# KiCad board pcb.kicad_pcb (continued)
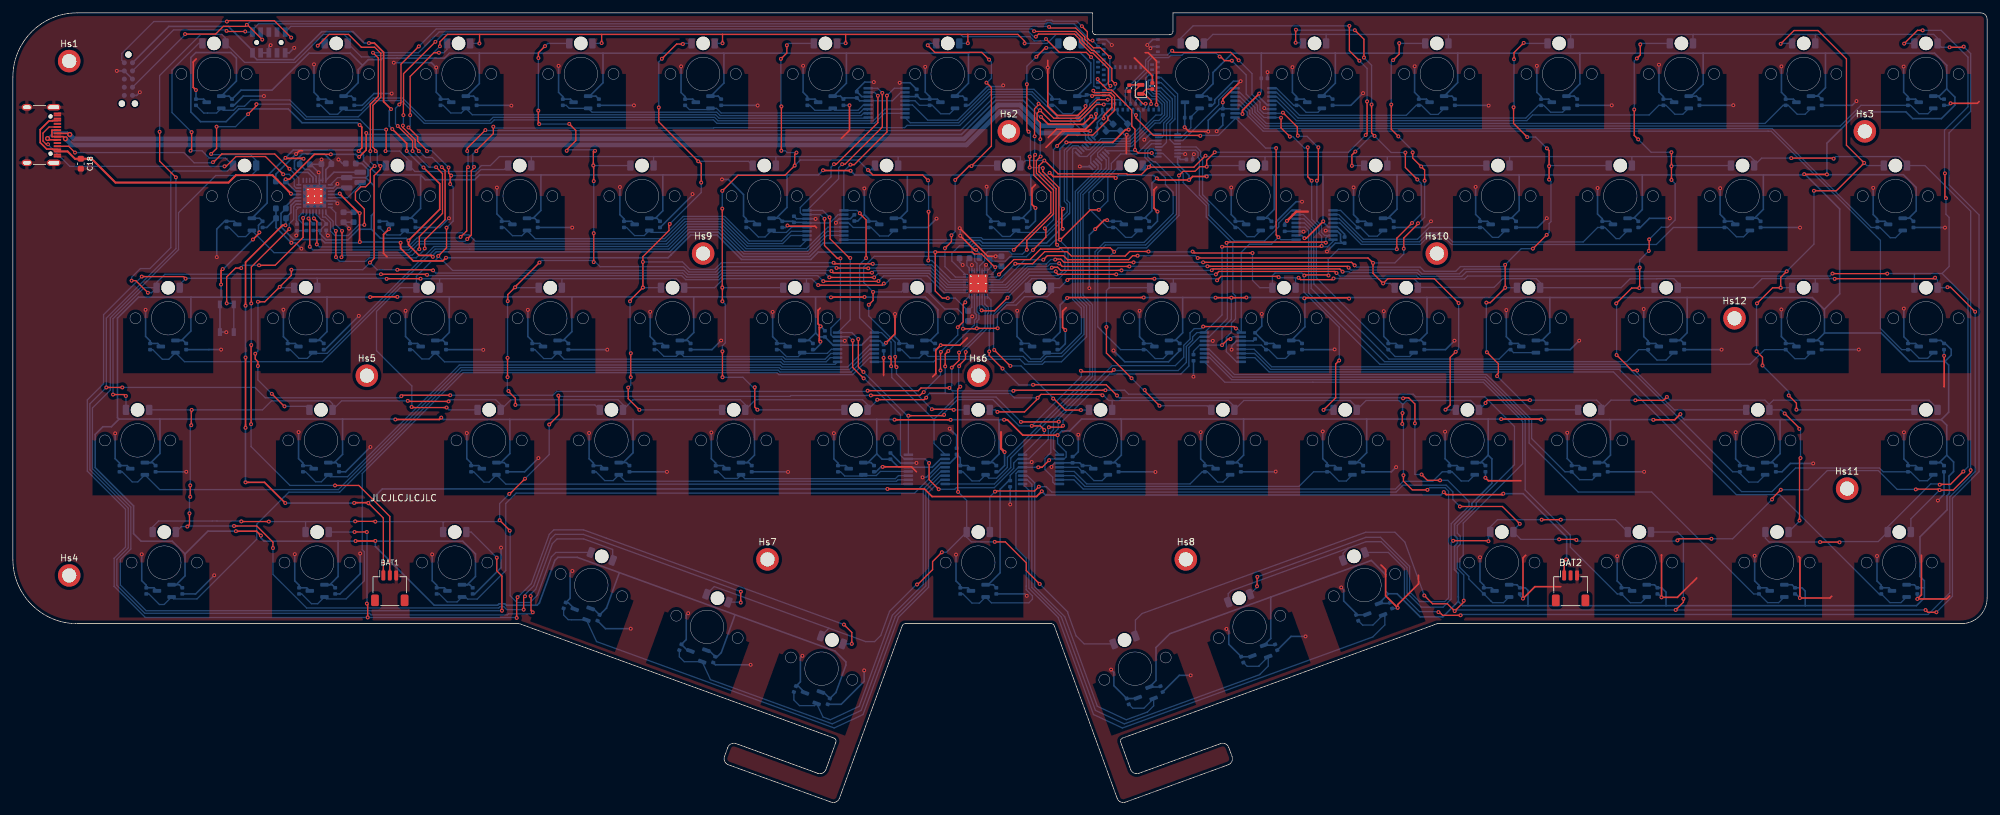
[diagram p0: board, top side]
## Routing (per net, layer and track width the routed paths; a pad name or vN(x,y) marks a point on that pad's centre or on a via; arc(x,y) is an arc through that point) (continued)
/NRESET: length 168.1
  Top w0.2: v1(161,120.57) 161.16,120.41 165.13,120.41 166.55,118.99 166.55,118.65 167.88,117.32 168.99,117.32 v1(170.45,115.86) ; v1(33.25,121.41) 33.39,121.55 40.61,121.55 v1(43.25,118.91)
  Bottom w0.2: MDBT1.40 169.8,111.51 169.89,111.6 169.89,111.68 170.27,112.06 170.35,112.06 170.45,112.16 v1(170.45,115.86) ; JTAG2.10 16.92,115.4 16.92,116.44 21.89,121.41 v1(33.25,121.41) ; v1(161,120.57) 160.91,120.66 43.21,120.66 JTAG1.10 42.4,119.76 v1(43.25,118.91)
/SCL: length 192
  Top w0.2: v1(45.92,90.78) 46.01,90.78 46.13,90.65 v1(46.13,86.38) ; v1(158.84,100.68) 158.63,100.47 158.63,97.51 161.28,94.86 161.28,91.66 v1(155.51,85.89) ; v1(74.65,105.06) 74.65,103.98 72.01,101.34 v1(72.01,101.26) ; v1(170.12,109.26) 168.51,109.26 165.63,106.38 162.1,106.38 162.1,106.37 161.73,106.37 159.48,108.62 v1(159.37,108.62) 159.37,108.48 158.74,107.85 158.74,103.58 v1(158.76,103.56) ; v1(70.59,87.58) 71.23,88.22 71.23,98.22 71.65,98.64 v1(71.65,98.79)
  Bottom w0.2: v1(170.12,109.26) 171.9,109.26 172.05,109.11 MDBT1.27 ; PMIC1.14 46.12,90.98 v1(45.92,90.78) 45.92,90.7 R3.2 ; v1(155.51,85.89) 155.28,86.12 150.32,86.12 149.89,86.55 149.4,86.55 149.02,86.17 149.02,85.46 149.44,85.03 149.44,84.16 149.8,83.8 LEDDR1.28 ; v1(70.59,87.58) 70.23,87.22 62.83,87.22 61.5,85.89 46.62,85.89 v1(46.13,86.38) ; v1(72.01,101.26) 71.92,101.26 71.46,100.79 71.46,98.98 v1(71.65,98.79) ; v1(158.84,100.68) 158.76,100.76 v1(158.76,103.56) ; v1(74.65,105.06) 74.86,104.85 108.86,104.85 108.92,104.91 138.58,104.91 138.92,105.26 147.11,105.26 151.92,110.07 158.23,110.07 159.37,108.93 v1(159.37,108.62)
/SDA: length 186
  Top w0.2: v1(169.5,108.51) 168.36,108.51 165.78,105.93 161.26,105.93 v1(159.59,107.6) 159.14,107.15 159.14,106.17 159.64,105.67 v1(159.64,103.11) ; v1(69.57,87.91) 69.59,87.91 70.52,88.84 70.52,98.57 v1(70.72,98.77) ; v1(46.77,90.79) 47.23,90.34 47.23,86.76 v1(47.22,86.75) ; v1(73.41,104.54) 70.59,101.71 v1(70.59,101.27) ; v1(159.68,100.42) 159.03,99.77 159.03,97.84 161.68,95.19 161.68,91.49 157.54,87.36 v1(157.54,85.91)
  Bottom w0.2: v1(169.5,108.51) 169.6,108.61 MDBT1.29 ; v1(159.68,100.42) 159.62,100.49 159.62,103.09 v1(159.64,103.11) ; LEDDR1.29 150.2,83.41 150.99,84.21 150.99,85.1 151.54,85.65 154.83,85.65 155.24,85.24 156.87,85.24 v1(157.54,85.91) ; v1(70.72,98.77) 70.72,101.14 v1(70.59,101.27) ; v1(73.41,104.54) 73.5,104.45 147.24,104.45 152.46,109.67 157.4,109.67 159.47,107.6 v1(159.59,107.6) ; v1(47.22,86.75) 47.61,86.36 61.4,86.36 62.8,87.76 69.42,87.76 v1(69.57,87.91) ; PMIC1.13 46.62,90.94 v1(46.77,90.79) 46.84,90.79 R4.2
/SW0: length 998.2
  Top w0.2: 91.48,119.41 110.28,119.41 ; 91.48,119.41 72.51,119.41 ; 91.48,119.41 v1(91.48,118.06) ; 110.28,119.41 110.26,119.39 v1(110.26,118.03) ; 110.28,119.41 129.41,119.41 ; v1(80.78,29.52) 80.51,29.79 80.51,31.99 v1(80.45,32.05) ; v1(132.81,63.99) 140.68,63.99 141.11,64.42 v1(145.52,64.42) ; v1(147.01,69.93) 147.01,68.71 v1(145.88,67.58) ; v1(300.91,117.41) 303.01,117.41 v1(303.11,117.51) ; v1(157.2,118.01) 157.2,118.36 156.15,119.41 148.38,119.41 ; 72.51,119.41 72.51,118.02 v1(72.49,118) ; 72.51,119.41 67.52,119.41 66.35,118.24 v1(66.35,117.56) ; v1(67.96,63.29) 60.5,63.29 v1(60.35,63.14) ; 148.38,119.41 v1(148.38,118.04) ; 148.38,119.41 129.41,119.41 ; v1(259.56,31.62) 259.56,31.09 v1(258.36,29.89) ; v1(219.3,32.14) 220.59,30.85 222.89,30.85 v1(224.03,29.71) 225.43,31.12 v1(225.43,31.34) ; v1(169.76,64.07) 155.55,64.07 v1(155.45,63.97) ; 129.41,119.41 129.39,119.39 v1(129.39,118.04) ; v1(25.32,97.18) 22.8,99.7 v1(22.8,104.26) ; v1(17.01,64.5) v1(14.52,64.5) ; v1(298.87,29.53) 297.53,29.53 v1(297.18,29.88)
  Bottom w0.2: D13.2 261.05,119.35 261.11,119.41 ; v1(298.87,29.53) 301.36,32.02 301.36,47.27 305.49,51.4 305.49,91.34 300.83,96 300.83,104.09 304.19,107.45 304.19,116.43 v1(303.11,117.51) ; D11.2 223.05,119.38 223.08,119.41 ; v1(145.88,67.58) 145.88,64.78 v1(145.52,64.42) 145.97,63.97 v1(155.45,63.97) ; v1(110.26,118.03) 110.24,118.01 D5.2 ; 280.1,119.41 280.05,119.36 D14.2 ; 280.1,119.41 261.11,119.41 ; 280.1,119.41 298.45,119.41 299.05,118.81 D15.2 299.65,117.41 v1(300.91,117.41) ; v1(259.56,31.62) 259.56,41.09 258.64,42.01 D70.2 ; v1(219.3,32.14) 216.28,40.44 214.74,41.98 210.2,41.98 175.44,29.33 174.42,28.31 D66.2 ; D9.2 186.45,119.41 204.03,119.41 ; 204.03,119.41 223.08,119.41 ; 204.03,119.41 204.05,119.39 D10.2 ; 223.08,119.41 242.07,119.41 ; 261.11,119.41 242.07,119.41 ; D8.2 166.05,118.81 165.45,119.41 162.1,119.41 160.7,118.01 v1(157.2,118.01) ; D3.2 72.48,118.01 v1(72.49,118) ; v1(148.38,118.04) 148.35,118.01 D7.2 ; 242.07,119.41 242.05,119.39 D12.2 ; v1(80.78,29.52) 80.55,29.29 77,29.29 76.83,29.12 55.65,29.12 55.4,29.37 20.51,29.37 16.15,33.73 16.15,37.77 17.93,39.55 17.93,45.73 11.96,51.7 11.96,61.95 v1(14.52,64.5) 14.52,75.28 25.34,86.1 25.34,97.16 v1(25.32,97.18) ; LEDDR1.11 150.6,77.33 151.17,76.76 151.17,76.22 151.06,76.11 151.06,73.9 147.09,69.93 v1(147.01,69.93) ; v1(91.48,118.06) 91.43,118.01 D4.2 ; v1(225.43,31.34) 225.43,35.34 224.42,36.34 224.42,39.65 224.88,40.11 224.88,41.38 224.42,41.83 224.42,43.04 227.37,45.99 227.37,46.54 233.31,52.48 233.31,58.43 228.69,63.05 217.97,63.05 217.57,63.45 173.35,63.45 172.73,64.07 v1(169.76,64.07) ; v1(80.45,32.05) 80.45,32.34 81.24,33.13 83.82,40.2 84.55,40.94 88.69,40.94 93.16,39.31 93.19,39.28 D62.2 ; v1(224.03,29.71) 224.03,29.86 224.05,29.89 v1(258.36,29.89) 297.17,29.89 v1(297.18,29.88) ; v1(67.96,63.29) 83.9,63.29 84.49,63.88 132.7,63.88 v1(132.81,63.99) ; D6.2 129.36,118.01 v1(129.39,118.04) ; v1(60.35,63.14) 60.1,62.89 39.21,62.89 37.6,64.5 v1(17.01,64.5) ; v1(22.8,104.26) 22.8,113.01 29.2,119.41 32.45,119.41 33.05,118.81 D1.2 36.01,115.05 43.88,115.05 48.24,119.41 51.45,119.41 52.05,118.81 D2.2 54.15,115.91 56.22,115.91 56.44,116.14 64.92,116.14 v1(66.35,117.56)
/SW1: length 734
  Top w0.2: v1(152.6,48.29) 152.71,48.4 158.75,48.4 v1(159.41,49.07) ; 37.63,108.56 v1(37.85,108.56) 37.85,108.31 v1(36.55,107.01) ; v1(273.33,47.08) 273.33,47.23 v1(274.69,48.59) ; v1(75.19,38.03) 75.19,35.98 75.99,35.17 v1(75.99,29.77) ; v1(224.83,45.98) 231.44,45.98 v1(234.14,43.28) ; v1(30.8,100.81) 31.65,101.66 v1(31.65,105.06) ; v1(304.19,51.63) 304.19,51.26 301.47,48.54 v1(299.38,48.54) 299.23,48.68 295.7,48.68 v1(295.66,48.64) ; v1(176.49,98.76) 176.73,99 176.73,99.13 ; v1(176.49,98.76) 175.34,97.61 173.17,97.61 173.06,97.72 162.38,97.72 160.3,99.8 v1(160.26,99.8) 159.43,98.97 159.43,98.05 162.08,95.4 162.08,86.86 v1(162.25,86.68) ; v1(176.49,98.76) 183.5,98.76 185.28,100.54 v1(185.32,100.54) ; v1(282.9,100.08) 282.81,100.17 v1(276.31,100.17) ; v1(258.63,40.71) 258.88,40.96 v1(263.92,40.96) ; v1(57.9,101.26) 58,101.36 v1(58,104.61) ; v1(150.52,76.49) 150.59,76.42 152.5,76.42 v1(154.54,78.47) ; v1(240.25,40.87) 242.84,40.87 v1(242.93,40.78)
  Bottom w0.2: 232.55,100.41 213.5,100.41 ; 232.55,100.41 251.55,100.41 ; 232.55,100.41 D26.2 ; 213.5,100.41 213.55,100.36 D25.2 ; 213.5,100.41 194.63,100.41 ; v1(150.52,76.49) 150.2,76.81 LEDDR1.12 ; 137.5,100.41 156.51,100.41 156.55,100.37 D22.2 157.34,99.8 v1(160.26,99.8) ; 137.5,100.41 118.53,100.41 ; 137.5,100.41 137.55,100.36 D21.2 ; 118.53,100.41 118.55,100.39 D20.2 ; 118.53,100.41 99.58,100.41 ; v1(299.38,48.54) 294.9,44.06 D72.2 ; v1(263.92,40.96) 267.21,40.96 v1(273.33,47.08) ; D65.2 151.8,47.49 v1(152.6,48.29) ; v1(224.83,45.98) 223.74,47.07 223.74,48.26 222.69,49.3 215.98,49.3 214.9,48.22 161.42,48.22 160.58,49.07 v1(159.41,49.07) ; v1(30.8,100.81) 30.9,100.71 36.9,100.71 37.8,99.81 D16.2 37.8,98.21 37.05,97.46 31.52,97.46 25.74,91.68 25.74,85.94 15.14,75.34 15.14,64.08 12.37,61.31 12.37,51.86 18.33,45.9 18.33,39.38 16.7,37.75 16.7,33.77 20.7,29.77 v1(75.99,29.77) ; 99.58,100.41 99.55,100.38 D19.2 ; 99.58,100.41 80.57,100.41 ; v1(304.19,51.63) 304.19,91.91 297.09,99.01 D29.2 294.3,99.19 293.08,100.41 283.23,100.41 v1(282.9,100.08) ; v1(274.69,48.59) 278.93,48.59 281.91,51.57 289.84,51.57 292.77,48.64 v1(295.66,48.64) ; v1(185.32,100.54) 185.27,100.5 185.27,100.43 185.28,100.41 194.63,100.41 ; v1(176.49,98.76) 176.24,99.01 D23.2 ; v1(58,104.61) 55.51,104.61 53.93,106.19 45.47,106.19 43.1,108.56 v1(37.85,108.56) ; 80.57,100.41 80.55,100.39 D18.2 ; 80.57,100.41 75.59,100.41 74.19,99.01 72.79,99.01 71.87,98.09 62.47,98.09 D17.2 61.55,99.81 60.1,101.26 v1(57.9,101.26) ; 194.63,100.41 194.55,100.33 D24.2 ; v1(276.31,100.17) 271.71,100.17 D28.2 270.55,99.81 269.95,100.41 251.55,100.41 ; v1(75.19,38.03) 71.2,42.01 D61.2 ; 251.55,100.41 D27.2 ; v1(162.25,86.68) 162.25,86.67 163.46,85.46 163.46,82.93 162.43,81.9 157.98,81.9 v1(154.54,78.47) ; v1(258.63,40.71) 258.52,40.6 243.11,40.6 v1(242.93,40.78) ; v1(36.55,107.01) 34.6,105.06 v1(31.65,105.06) ; v1(240.25,40.87) 234.29,40.87 D69.2 233.15,42.29 v1(234.14,43.28)
/SW2: length 674
  Top w0.2: v1(196.68,81.65) 196.55,81.78 187.72,81.78 v1(187.1,81.16) ; v1(129.12,27.62) 130.35,26.39 v1(130.35,24.61) ; v1(221.5,29.56) 221.64,29.56 222.14,29.06 v1(224.94,29.06) ; v1(199.76,81.56) 200.06,81.26 205.01,81.26 v1(205.2,81.45) ; v1(20.02,81.74) 26.52,81.74 v1(26.84,81.42) ; v1(55,30.89) 55.13,30.76 v1(55.13,28.72) ; v1(304.89,76.27) 301.07,80.09 v1(300.59,80.09) ; v1(153.01,73.7) 149.77,73.7 v1(149.77,73.68) 149.71,73.62 v1(147.62,73.62) ; v1(55,42.01) 54.99,42.02 v1(53.08,42.02) ; v1(78.42,31.89) 78.28,31.75 v1(78.28,28.65) ; v1(298.66,81.57) 298.5,81.41 283.08,81.41 v1(283.06,81.39) ; v1(163.84,81.2) 163.91,81.2 164.12,81.41 v1(177.37,81.41) ; v1(58.07,81.39) 58.09,81.41 v1(63.35,81.41) ; v1(135.33,80.66) 135.07,80.4 125.14,80.4 v1(125.12,80.42)
  Bottom w0.2: v1(283.06,81.39) 283,81.45 282.53,81.45 282.51,81.43 280.11,81.43 ; v1(78.28,28.65) 78.21,28.72 v1(55.13,28.72) 54.78,28.72 54.78,28.72 20.59,28.72 15.75,33.56 15.74,33.57 15.74,37.92 15.75,37.93 15.75,37.93 17.5,39.68 17.5,45.55 11.56,51.49 11.56,62.56 14.09,65.08 14.09,75.81 v1(20.02,81.74) ; D31.2 47.3,81.41 47.23,81.48 ; v1(153.01,73.7) 152.97,73.74 152.97,75.86 154.42,77.31 155.88,77.31 157.17,78.61 160.7,78.61 161.3,79.21 D37.2 162.65,80.01 v1(163.84,81.2) ; 92.2,41.06 v1(129.12,27.62) ; D39.2 199.3,81.48 199.22,81.56 ; v1(78.42,31.89) 78.47,31.89 80.55,33.97 83.35,41.65 84.04,42.35 88.66,42.35 92.28,41.03 ; v1(304.89,76.27) 304.89,51.42 300.95,47.48 300.95,32.55 297.59,29.19 225.07,29.19 v1(224.94,29.06) ; D60.2 53.07,42.01 v1(53.08,42.02) ; 180.33,81.41 180.3,81.38 D38.2 ; 180.33,81.41 v1(177.37,81.41) ; 180.33,81.41 186.85,81.41 v1(187.1,81.16) ; v1(147.62,73.62) 147.62,75.86 146.77,76.71 144.8,76.71 142.3,79.21 D36.2 ; D32.2 66.3,81.38 66.27,81.41 ; LEDDR1.13 149.8,76.29 150.1,75.99 150.1,75.12 149.8,74.82 149.8,73.71 v1(149.77,73.68) ; 123.28,81.41 123.3,81.39 D35.2 ; 123.28,81.41 124.13,81.41 v1(125.12,80.42) ; 123.28,81.41 110.43,81.41 109.03,80.01 D34.2 104.3,80.19 103.08,81.41 85.27,81.41 ; v1(221.5,29.56) 221.42,29.63 218.55,29.63 216.22,31.96 216.22,36.33 213.71,38.84 D68.2 ; v1(298.66,81.57) 299.05,81.18 D44.2 300.51,80.01 v1(300.59,80.09) ; v1(196.68,81.65) 196.77,81.56 199.22,81.56 ; 199.22,81.56 v1(199.76,81.56) ; 85.27,81.41 66.27,81.41 ; 85.27,81.41 85.3,81.38 D33.2 ; v1(135.33,80.66) 135.61,80.66 136.36,81.41 141.08,81.41 142.3,80.19 ; D64.2 130.35,24.61 v1(130.35,24.61) ; v1(58.07,81.39) 57.98,81.48 47.23,81.48 ; 66.27,81.41 v1(63.35,81.41) ; v1(55,30.89) 55.02,30.92 55.02,41.99 v1(55,42.01) ; 47.23,81.48 26.9,81.48 v1(26.84,81.42) 25.93,80.51 D30.2 ; D43.2 280.05,81.39 280.01,81.43 271.79,81.43 270.37,80.01 D42.2 258.68,80.81 258.07,81.41 255.43,81.41 255.41,81.39 251.27,81.39 249.89,80.01 D41.2 237.3,80.81 236.7,81.41 231.49,81.41 230.14,80.06 218.35,80.06 D40.2 218.3,80.81 217.68,81.43 205.96,81.43 205.94,81.45 v1(205.2,81.45)
/SW3: length 556.1
  Top w0.2: v1(152.97,60.7) 157.2,60.7 159.21,62.71 v1(159.21,62.88) 159.75,63.42 169.16,63.42 v1(169.3,63.28) ; v1(215.88,58.82) 215.88,60.48 v1(215.92,60.52) ; v1(141.91,62.91) 141.59,62.59 v1(134.3,62.59) ; v1(252.09,62.5) 256.48,62.5 v1(257,63.02) ; v1(40.41,39.52) 40.41,40.44 37.9,42.95 v1(34.36,42.95) ; v1(27.78,61.01) 27.72,60.95 v1(27.72,58.62) ; v1(27.56,47.48) v1(27.56,49.27) ; v1(275.29,60.45) 277.57,58.17 v1(277.57,58.05) ; v1(79.36,29.94) 79.36,31.81 v1(79.57,32.02) ; v1(61.36,62.41) 61.44,62.33 v1(67.7,62.33) ; v1(235.72,62.52) 229.11,62.52 228.81,62.22 v1(228.81,62.07) ; v1(193.31,33.57) 193.31,35 v1(193.36,35.05) ; v1(144.86,67.77) 144.86,69.69 v1(145.34,70.17) ; v1(277.75,53.52) 277.6,53.37 v1(277.6,43.8) ; v1(216.06,50.85) 216.06,49.94 217.43,48.57 v1(219.79,48.57) ; v1(113.09,31.04) 113.09,32.72 v1(113.11,32.74) ; v1(27.11,42.86) 27.44,43.19 v1(27.44,44.92)
  Bottom w0.2: v1(257,63.02) 257.5,62.52 272.23,62.52 272.93,61.83 D57.2 ; D59.2 26.18,42.86 v1(27.11,42.86) 27.2,42.95 v1(34.36,42.95) ; v1(152.97,60.7) 152.66,61.01 D51.2 ; v1(79.57,32.02) 79.57,32.28 80.92,33.63 83.59,40.95 84.28,41.65 88.65,41.65 v1(113.11,32.74) ; D67.2 193.31,33.43 v1(193.31,33.57) ; 144.92,63.56 142.4,63.56 141.91,63.07 v1(141.91,62.91) ; 144.92,63.56 154.94,63.56 155.62,62.88 v1(159.21,62.88) ; 144.92,63.56 144.86,63.62 v1(144.86,67.77) ; D71.2 277.6,43.71 v1(277.6,43.8) ; v1(219.79,48.57) 220.12,48.9 222.53,48.9 223.07,48.36 223.07,31.78 222.48,31.19 218.54,31.19 217.02,32.71 217.02,36.66 212.49,41.19 210.24,41.19 v1(193.36,35.05) ; v1(113.09,31.04) 113.02,31.11 D63.2 ; D52.2 170.8,62.45 170.82,62.47 ; D57.2 272.93,61.91 273.54,62.52 297.72,62.52 299.05,61.19 D58.2 ; D57.2 274.73,61.01 v1(275.29,60.45) ; v1(252.09,62.5) 252.07,62.52 248.31,62.52 D56.2 246.8,61.8 246.08,62.52 v1(235.72,62.52) ; v1(61.36,62.41) 51.08,62.41 D46.2 49.67,61.95 49.21,62.41 40.18,62.41 38.78,61.01 v1(27.78,61.01) D45.2 ; v1(145.34,70.17) 149.4,74.23 149.4,74.98 149.7,75.29 149.7,75.82 149.4,76.13 LEDDR1.14 ; v1(67.7,62.33) 67.95,62.58 75.03,62.58 75.8,61.81 D47.2 77.37,62.58 94.03,62.58 94.8,61.81 D48.2 96.34,62.55 96.34,62.58 113.04,62.58 113.8,61.82 D49.2 115.37,62.58 132.03,62.58 132.8,61.81 D50.2 134.3,62.51 v1(134.3,62.59) 134.29,62.58 ; v1(79.36,29.94) 76.74,29.94 76.26,30.42 75.72,30.42 75.5,30.2 45.64,30.2 40.41,35.43 v1(40.41,39.52) ; v1(169.3,63.28) 169.44,63.28 170.25,62.47 170.82,62.47 ; v1(27.56,47.48) 27.44,47.36 v1(27.44,44.92) ; v1(215.88,58.82) 216.06,58.64 v1(216.06,50.85) ; 170.82,62.47 188.84,62.47 189.8,61.51 D53.2 191.26,62.47 207.77,62.47 208.8,61.44 D54.2 210.26,62.47 215.34,62.47 215.92,61.89 v1(215.92,60.52) 215.92,61.81 216.58,62.47 226.52,62.47 227.8,61.19 D55.2 228.81,62.02 v1(228.81,62.07) ; v1(277.57,58.05) 277.75,57.87 v1(277.75,53.52) ; v1(27.72,58.62) 27.56,58.46 v1(27.56,49.27)
/SWDCLK: length 161.4
  Top w0.2: v1(167.75,118.46) 167.32,118.46 167.02,118.76 167.01,118.76 166.95,118.82 166.95,119.83 v1(166.1,120.68) ; v1(38.75,118.6) 36.45,120.9 v1(36.35,120.9) 36.11,120.66 32.7,120.66 31.5,119.46 v1(26.75,119.46)
  Bottom w0.2: MDBT1.53 168.6,117.61 v1(167.75,118.46) ; JTAG1.4 38.5,118.81 38.71,118.6 v1(38.75,118.6) ; v1(166.1,120.68) 165.32,121.46 161.59,121.46 161.43,121.62 160.56,121.62 160.4,121.46 36.91,121.46 v1(36.35,120.9) ; v1(26.75,119.46) 26.75,119.36 JTAG2.4
/SWDIO: length 156.2
  Top w0.2: v1(36.1,119.86) 33.3,119.86 v1(33.2,119.96)
  Bottom w0.2: v1(33.2,119.96) 33.05,120.11 24.96,120.11 JTAG2.2 ; v1(36.1,119.86) 36.2,119.76 JTAG1.2 37.23,120.13 38.16,121.06 160.57,121.06 160.73,121.22 161.26,121.22 161.42,121.06 164.87,121.06 166.95,118.98 166.95,117.74 167.98,116.71 MDBT1.51
/USB_D+: length 167
  Top w0.25: Jusb1.A6 8.67,104.01 v2(8.84,103.85) ; v2(5.38,103.21) 5.59,103.01 Jusb1.B6
  Bottom w0.25: v2(5.38,103.21) 6.38,104.21 8.47,104.21 v2(8.84,103.85)
  Bottom w0.73: R1.2 159.74,105.19 156.49,108.43 153.12,108.43 153.07,108.38 153,108.38 147.77,103.15 9.48,103.15 8.84,103.8 v2(8.84,103.85)
/USB_D-: length 165.2
  Top w0.25: v2(8.16,103.17) 7.83,103.51 Jusb1.A7 6.09,103.51 6.07,103.54 6.07,104.48 6.09,104.51 Jusb1.B7
  Bottom w0.73: R2.2 159.6,104.08 156.23,107.45 153.39,107.45 148.16,102.22 9.17,102.22 8.21,103.17 v2(8.16,103.17)
/VOUT2: length 21
  Bottom w0.25: PMIC1.28 46.62,97.16 45.84,97.95 44.35,97.95 43.75,98.55 43.75,99.72 44.16,100.14 44.28,100.14 44.98,100.84 48.38,100.84 49.49,99.73 C26.1 48.62,98.39 PMIC1.32 49.88,97.97 L2.1
/VSYS: length 154.8
  Top w0.2: v1(152.64,83.21) 152.56,83.21 150.52,85.25 149.4,85.25 149.1,85.55 v1(143.31,85.55) 143.31,79.5 144.42,78.39 v1(145.27,78.39)
  Top w0.25: v1(53.91,87.12) 53.87,87.16 53.87,91.59 v1(53.89,91.61) 53.78,91.61 50.79,94.6 v1(50.79,94.66) ; v1(60.24,87.01) 60.24,86.15 62.21,84.18 66.81,84.18 v1(67.3,84.67)
  Bottom w0.2: C35.1 152.78,83.34 v1(152.64,83.21) 152.64,82.72 LEDDR1.1 ; LEDDR1.15 149,76.98 C36.1 146.43,78.39 v1(145.27,78.39)
  Bottom w0.25: v1(143.31,85.55) 125.13,85.55 123.98,84.41 113.22,84.41 109.42,88.2 105.33,88.2 102.29,85.17 102.29,85.17 101.8,84.67 v1(67.3,84.67) ; v1(53.89,91.61) 53.74,91.76 C11.1 52.92,91.75 C10.1 ; v1(50.79,94.66) 50.64,94.51 PMIC1.4 ; v1(60.24,87.01) 60.13,87.12 v1(53.91,87.12) 53.8,87.01 48.48,87.01 47.98,87.51 43.64,87.51 41.66,89.49 41.66,89.5 41.66,91.57 42.41,92.32 C12.1 ; 42.42,92.48 42.42,92.68 43.75,94.01 PMIC1.20
Net-(BAT1-NTC): length 76.3
  Top w0.2: v1(37.01,58.78) 37.01,71.07 v1(37.04,71.1) ; BAT1.2 58.56,44.45 53.75,49.26 v1(50.05,49.26) ; v1(37.04,77.56) 37.05,77.57 37.05,83.24 v1(42.95,89.14)
  Bottom w0.2: v1(42.95,89.14) 42.95,89.95 43.63,90.63 43.63,92.63 44.01,93.01 PMIC1.18 ; v1(50.05,49.26) 43.05,49.26 37.01,55.3 v1(37.01,58.78) ; v1(37.04,77.56) v1(37.04,71.1)
Net-(Jusb1-CC1): length 48.6
  Top w0.2: v1(32.89,98.89) 33.13,98.89 34.66,100.41 39.24,100.41 v1(42,97.65) ; v1(5.47,102.32) 5.18,102.32 4.67,102.83 4.67,104.06 5.63,105.01 Jusb1.A5
  Bottom w0.2: v1(5.47,102.32) 5.47,102.26 8.85,98.89 v1(32.89,98.89) ; PMIC1.23 44.01,95.51 43.72,95.8 43.72,96.87 42.94,97.65 v1(42,97.65)
Net-(Jusb1-CC2): length 41.7
  Top w0.2: v1(9.65,101.03) 8.67,102.01 Jusb1.B5 ; v1(31.09,99.54) 31.18,99.54 32.46,100.81 40.68,100.81 v1(42.99,98.5)
  Bottom w0.2: v1(31.09,99.54) 31,99.44 28.16,99.44 26.57,101.03 v1(9.65,101.03) ; v1(42.99,98.5) 44.42,97.06 PMIC1.24
Net-(LEDDR1-VCAP): length 2.3
  Bottom w0.2: C34.2 148.23,84.19 148.23,83.45 148.6,83.08 LEDDR1.25
Net-(MDBT1-D+): length 4.8
  Bottom w0.2: MDBT1.35 168.29,109.51 167.31,108.53 167.31,108 165.66,106.35 R1.1
  Bottom w0.25: 168.63,109.47 168.47,109.47
Net-(MDBT1-D-): length 4.4
  Bottom w0.2: MDBT1.34 168.5,108.71 167.71,107.92 167.71,107.73 166.54,106.55 R2.1
Net-(MDBT1-P0.00/XL1): length 5.7
  Top w0.2: v1(176.85,108.6) 176.85,109.11 175.8,110.16 Y1.1 175.35,110.16 176.09,110.9 C2.1
  Bottom w0.2: MDBT1.17 176.45,108.2 v1(176.85,108.6)
Net-(MDBT1-P0.01/XL2): length 7.1
  Top w0.2: C4.1 173.55,111.52 173.59,111.56 Y1.2 174.4,110.71 174.4,109.82 175.59,108.63 v1(176,108.63)
  Bottom w0.2: v1(176,108.63) 175.95,108.58 175.95,108.01 MDBT1.18
Net-(PMIC1-SHPHLD): length 28.3
  Top w0.2: v1(35.48,83.07) 34.61,83.07 33.22,81.68 v1(33.22,77.58) ; v1(38.25,83.5) 40.75,83.5 45.09,87.84 v1(45.09,90.86)
  Bottom w0.2: v1(33.22,77.58) 34.16,77.58 SW1.2 SW1.2 ; v1(45.09,90.86) 45.62,91.39 PMIC1.15 ; v1(35.48,83.07) 35.48,83.24 35.74,83.5 v1(38.25,83.5)
Net-(PMIC1-SW1): length 2.8
  Bottom w0.2: L1.2 50.4,95.53 49.88,95.01 PMIC1.3
Net-(PMIC1-SW2): length 5.8
  Bottom w0.2: L2.2 53.96,95.97 52,94.01 PMIC1.5
Net-(PMIC1-VBUS): length 49.6
  Top w0.25: Jusb1.B4 6.22,101.51 6.16,101.57 5.26,101.57 4.25,102.58 4.25,104.59 5.61,105.95 6.15,105.95 6.21,106.01 Jusb1.B9
  Top w0.3: v1(43.21,94.64) 40.34,97.51 34.65,97.51 33.5,96.36 15.94,96.36 12.24,100.06 10.57,100.06 C18.1 10.54,100.06 9.65,100.06 8.5,101.21 Jusb1.A9
  Bottom w0.3: v1(43.21,94.64) 43.34,94.51 PMIC1.21
Net-(PMIC1-VSET1): length 2.8
  Bottom w0.2: R5.2 44.14,90.31 44.03,90.42 44.03,92.11 PMIC1.17
Net-(PMIC1-VSET2): length 3
  Bottom w0.2: PMIC1.16 44.43,91.11 44.43,90.58 45.09,89.92 R6.2

## Copper pours and planes (outline as drawn; the poured copper is in the pictures)
GND on Top: -5,126.76 311.45,127.09 311.77,-13.28 -4.5,-14.24

Small or netless copper shapes (teardrops, artwork), in the pictures only: 579 on Top, 1948 on Bottom

## Text on the board
User.3: NOTE: / Add depressions on the bottom for stabilizers / Plate thickness should be 1.1mm (not 1.2mm) for secure fit / Plate should not touch pcb except where screws are (make 4mm post that protrudes up annd down)
